# Altium PCB MB1292.PcbDoc (part 3 of 4)
Units mm, origin at the board's own origin, x right, y up, seen from the top; angles counter-clockwise.
Board outline 103.83 x 65.19 mm, 4 copper layers (L1, L2, L3, L4), stack 1.512 mm thick; 185 components, 157 nets, 707 pads, 942 vias.
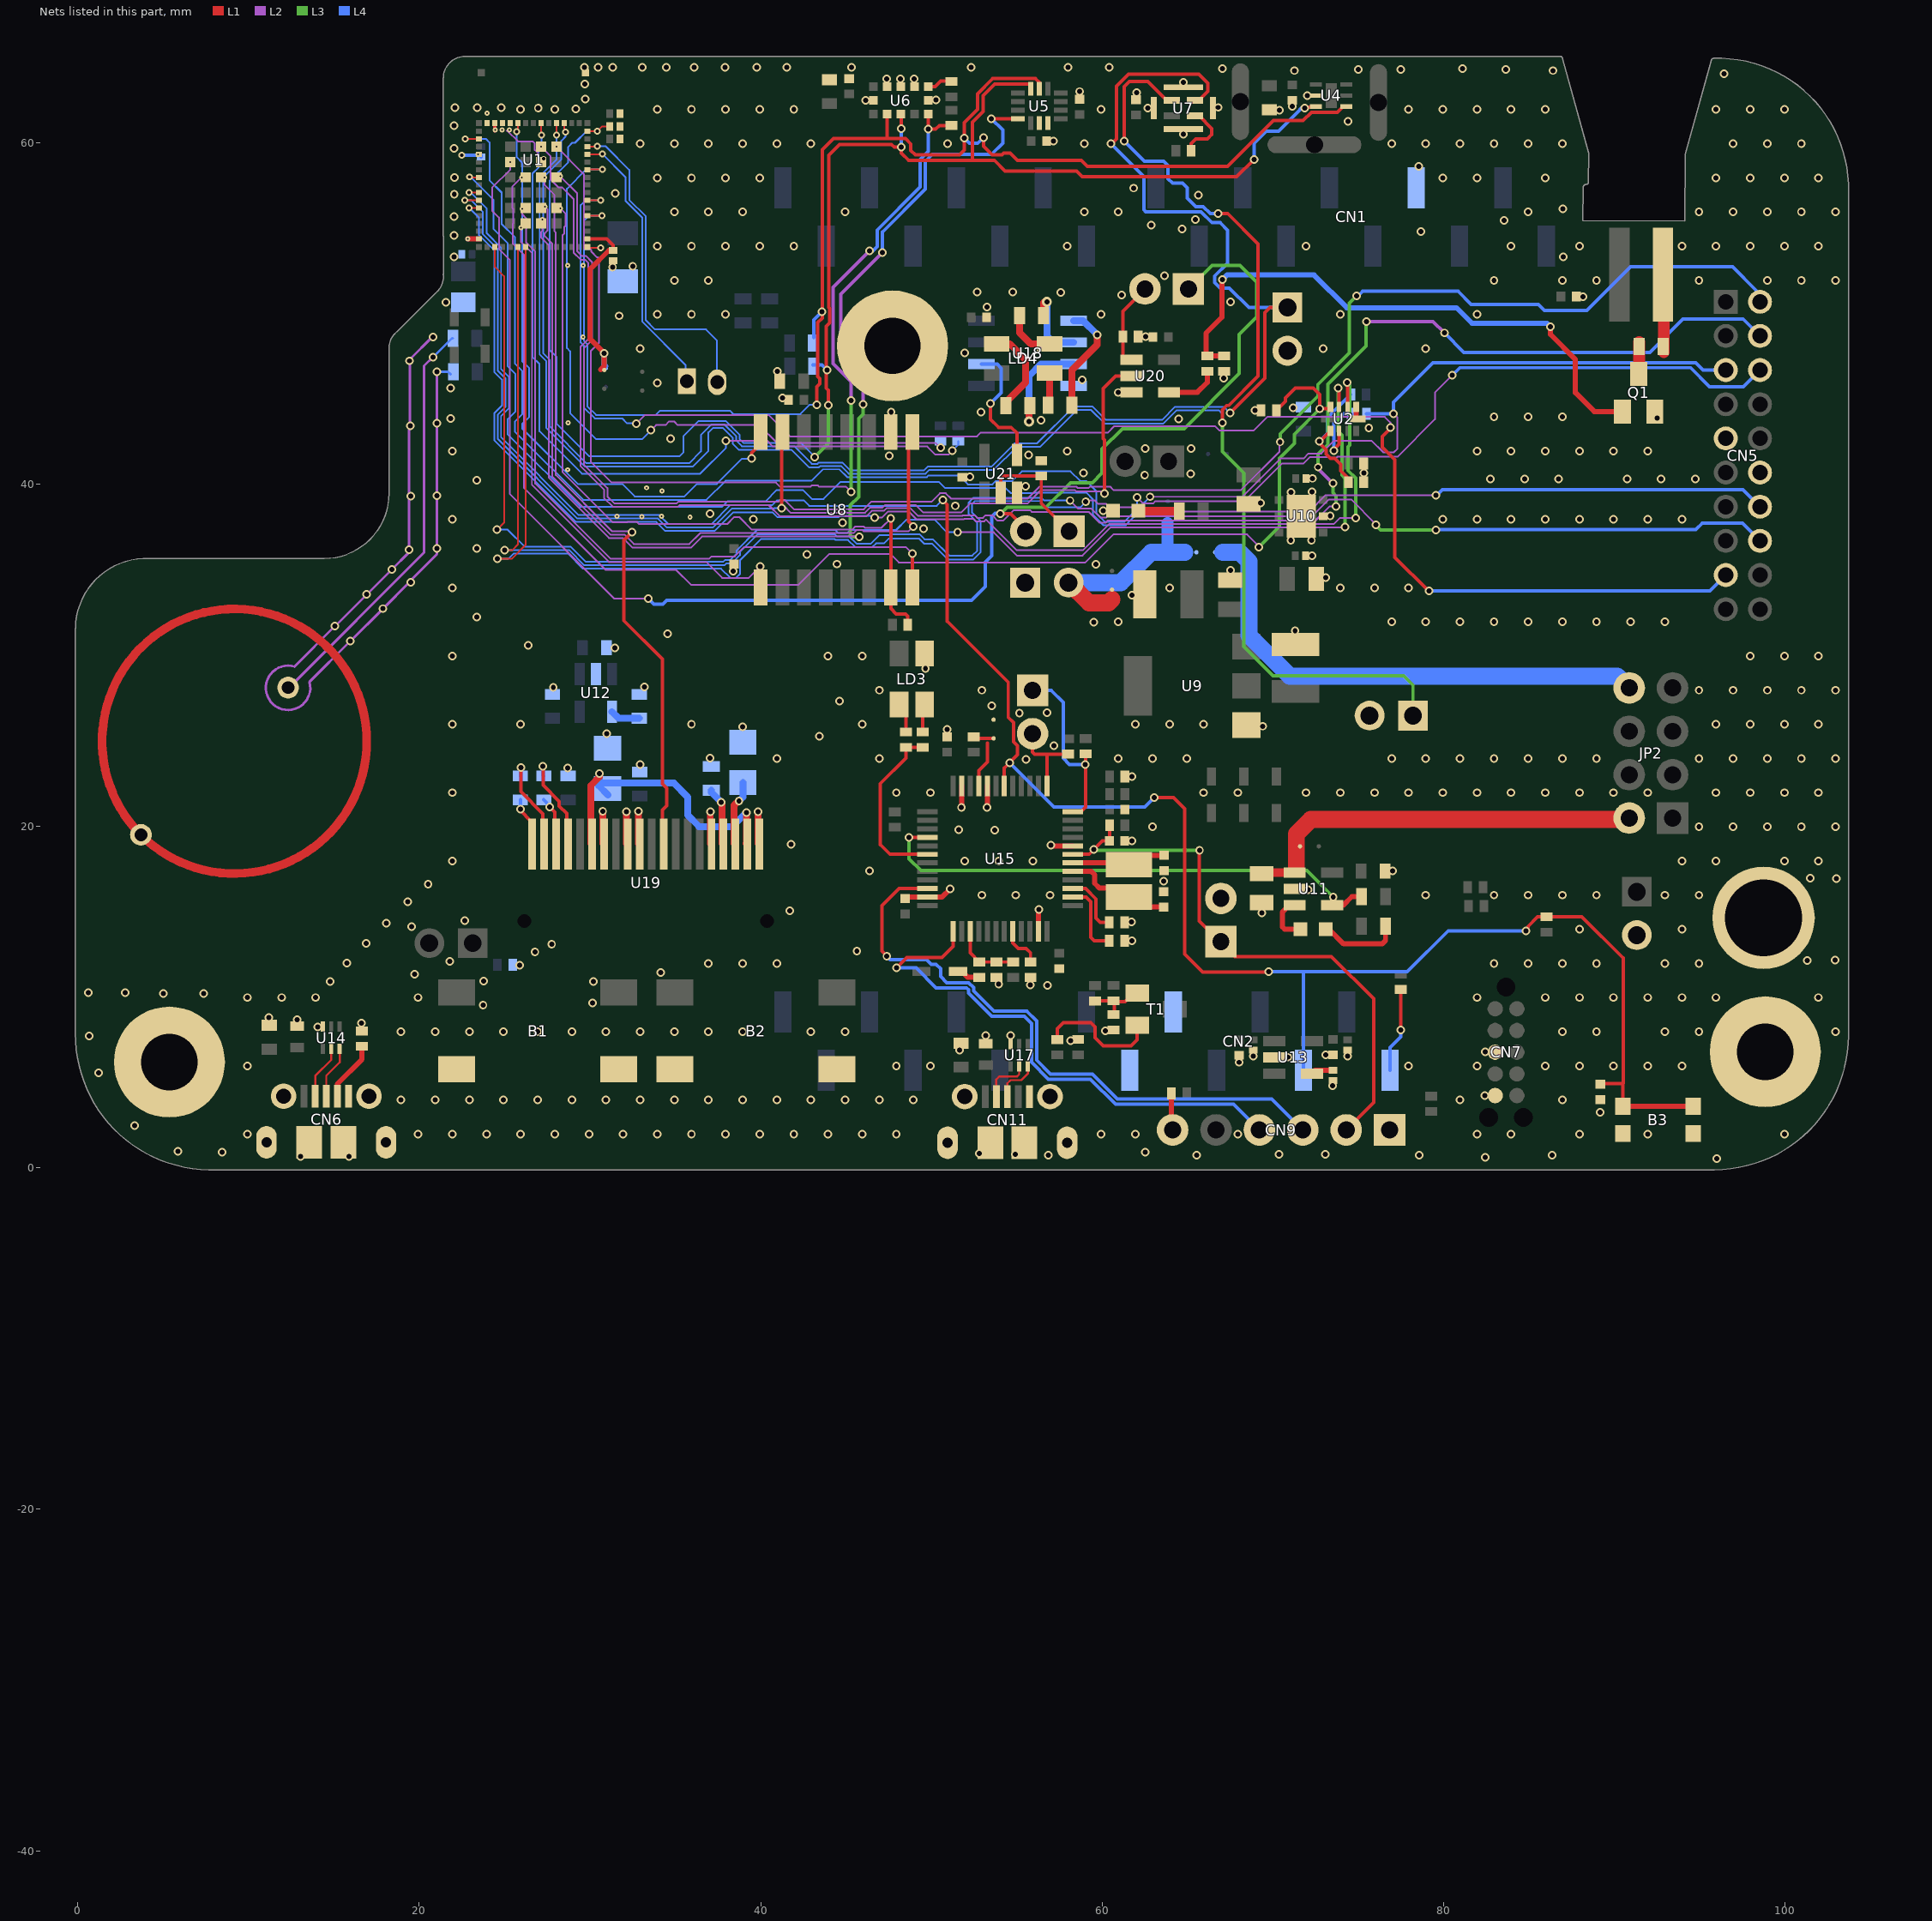
[diagram p5: the nets of this part, all layers, seen from the top]

## Via types
v1: diameter 0.5, hole 0.3, L1 to L4, tented both sides, 847 vias
v2: diameter 0.3, hole 0.1, L1 to L2, tented both sides, 48 vias
v3: diameter 0.4, hole 0.2, L1 to L4, tented both sides, 38 vias
v4: diameter 0.5, hole 0.3, L1 to L4, 4 vias
v5: diameter 0.6, hole 0.3, L1 to L4, tented both sides, 3 vias
v6: diameter 0.3, hole 0.2, L1 to L4, tented both sides, 1 vias
v7: diameter 0.5/0.5/0.5/0.5 (per signal layer), hole 0.3, L1 to L4, tented both sides, 1 vias

## Nets (pads, with @x,y where several pads share a name; then routed paths per layer and width w, separated by ;. In a path a pad name is that pad's centre, name@x,y a point inside that pad or via, vN(x,y) a via of type N, cw(c..) or ccw(c..) an arc to the next point about the centre after c; other vN are vias at no path point) (continued)
GND: B1.3 B1.4 B2.3 B2.4 B3.2 B3.4 C1.1 C2.2 C3.1 C4.1 C5.1 C6.1 C7.1 C8.1 C9.1 C10.1 C11.1 C12.1 C13.2 C14.2 C15.1 C16.1 C17.1 C18.1 C19.1 C20.1 C21.1 C22.2 C23.1 C24.1 C25.1 C26.1 C27.1 C28.1 C29.1 C30.1 C31.1 C32.2 C33.2 C34.2 C35.1 C36.1 C37.1 C38.1 C39.1 C40.1 C41.2 C42.1 C43.1 C44.2 C45.2 C48.2 C49.2 C50.2 C51.2 C52.1 C53.1 C54.2 C55.1 C56.1 CN1.7 CN2.6 CN2.7 CN5.5 CN5.16 CN6.5 CN6.6 CN6.7 CN6.8 CN6.9 CN6.10 CN6.11 CN7.3 CN7.5 CN8.1 CN9.1 CN11.5 CN11.6 CN11.7 CN11.8 CN11.9 CN11.10 CN11.11 CN12.2 CN14.2 CN15.2 JP3.2 LD2.2 LD3.1 pad.1@5.381,6.178 pad.1@98.725,14.624 pad.2 pad.4 Q1.2 R6.2 R7.1 R13.1 R17.1 R19.1 R21.2 R22.1 R27.1 R32.1 R36.1 R43.1 R48.2 R51.1 R52.1 R53.1 R54.1 SB12.2 U1.5 U1.16 U1.31 U1.57 U1.58 U1.59 U1.60 U1.84 U1.86 U2.5 U2.6 U3.2 U4.5 U5.6 U5.7 U6.2 U6.3 U6.4 U6.6 U6.12 U7.5 U7.6 U7.7 U7.8 U8.10 U9.1 U10.2 U10.EP U11.2 U12.2 U13.2 U14.3 U15.8 U15.20 U15.23 U15.35 U15.47 U16.2 U17.3 U18.4 U19.7 U19.9 U19.10 U19.16 U19.20 U20.3 U21.3 | length 26.3
  L1 w0.1: U1.31@29.865,53.908 29.91,53.863 v3(30.633,53.863)
  L1 w0.2: v2@24.44,60.716 U1.59@24.44,61.158 ; v1(72.017,62.758) 72.021,62.762 72.518,62.762 U4.5@72.523,62.767 ; v1(82.414,4.228) 82.419,4.222 83.009,4.222 CN7.5@83.014,4.217 ; v1(82.434,6.772) 82.441,6.765 83.006,6.765 CN7.3@83.014,6.757
  L1 w0.3: v2(22.848,54.375) 23.507,54.375 U1.16@23.515,54.383 ; C39.1@48.485,15.721 48.604,15.841 U15.35@49.772,15.841 49.782,15.83 50.616,15.83 v1(51.098,16.312) ; v1(51.761,21.088) 51.772,21.098 U15.23@51.772,22.341 ; v1(53.26,21.088) 53.272,21.1 U15.20@53.272,22.341 ; U15.47@56.272,13.841 56.272,15.108 v1(56.282,15.119) ; v1(56.994,18.878) 57.031,18.841 U15.8@58.272,18.841 ; U2.6@74.875,44.54 74.875,43.94 U2.5@74.975,43.84
  L1 w0.4: U19.7@30.749,18.98 v1(30.749,20.866) v1@30.749,20.878 ; U19.9@32.149,18.98 32.149,20.83 v1(32.152,20.834) ; v1(32.838,20.864) 32.849,20.874 U19.10@32.849,18.98 ; U19.16@37.049,18.98 37.049,20.828 v1(37.055,20.834) ; U19.20@39.849,18.98 v1(39.849,20.834)
  L2 w0.1: 25.125,60.699 25.183,60.699 25.792,60.09 26.642,60.09 26.775,59.957 26.775,59.586 26.948,59.413 26.948,58.852 v2(27.067,58.733)
  L4 w0.2: v3(22.505,59.278) 22.468,59.278 23.627,59.278 C25.1@23.627,59.187
  other v1: 95.997,0.536 82.425,0.596 13.056,0.656 15.891,0.656 56.849,0.717 65.535,0.717 78.564,0.717 86.346,0.717 54.919,0.777 70.361,0.777 73.075,0.777 52.807,0.837 8.472,0.898 62.519,0.898 5.878,0.958 9.945,1.955 19.945,1.955 21.945,1.955 23.945,1.955 25.945,1.955 27.945,1.955 29.945,1.955 31.945,1.955 33.945,1.955 35.945,1.955 37.945,1.955 39.945,1.955 41.945,1.955 43.945,1.955 45.945,1.955 47.945,1.955 59.945,1.955 61.945,1.955 67.945,1.955 81.945,1.955 83.945,1.955 87.945,1.955 91.945,1.955 99.945,1.955 3.344,2.466 89.15,3.232 18.945,3.955 20.945,3.955 22.945,3.955 24.945,3.955 26.945,3.955 28.945,3.955 30.945,3.955 32.945,3.955 34.945,3.955 36.945,3.955 38.945,3.955 40.945,3.955 42.945,3.955 44.945,3.955 46.945,3.955 48.945,3.955 80.945,3.955 86.945,3.955 73.497,4.792 1.233,5.542 9.945,5.955 47.945,5.955 49.945,5.955 77.945,5.955 81.945,5.955 85.945,5.955 87.945,5.955 89.945,5.955 91.945,5.955 93.945,5.955 68.01,6.164 70.882,6.464 68.849,6.519 74.36,6.519 73.09,6.595 51.653,6.884 58.161,7.439 0.69,7.714 53.184,7.727 54.631,7.727 18.945,7.955 20.945,7.955 22.945,7.955 24.945,7.955 26.945,7.955 28.945,7.955 30.945,7.955 32.945,7.955 34.945,7.955 36.945,7.955 38.945,7.955 42.945,7.955 44.945,7.955 86.945,7.955 88.945,7.955 92.945,7.955 94.945,7.955 102.945,7.955 60.191,8.008 14.068,8.235 16.633,8.464 12.848,8.667 11.197,8.794 23.744,9.506 30.15,9.633 9.945,9.955 11.945,9.955 13.945,9.955 19.945,9.955 81.945,9.955 85.945,9.955 87.945,9.955 89.945,9.955 91.945,9.955 93.945,9.955 95.945,9.955 101.945,9.955 5.033,10.187 7.38,10.183 0.63,10.247 2.801,10.247 56.79,10.674 55.8,10.699 53.946,10.75 14.801,10.901 30.214,10.901 23.786,10.923 19.748,11.324 34.158,11.416 25.884,11.859 36.945,11.955 38.945,11.955 40.945,11.955 82.945,11.955 84.945,11.955 86.945,11.955 88.945,11.955 92.945,11.955 94.945,11.955 15.774,11.98 21.799,12.085 26.782,12.621 45.636,12.676 27.761,13.086 16.894,13.121 61.743,13.29 87.945,13.955 93.945,13.955 19.558,14.115 18.078,14.305 61.718,14.382 22.687,14.453 69.339,14.924 41.704,15.029 19.347,15.574 52.945,15.955 54.945,15.955 56.945,15.955 78.945,15.955 82.945,15.955 84.945,15.955 86.945,15.955 88.945,15.955 92.945,15.955 94.945,15.955 72.057,16.27 20.53,16.589 63.598,16.77 46.372,17.381 77.01,17.363 21.945,17.955 51.945,17.955 53.945,17.955 55.945,17.955 93.945,17.955 95.945,17.955 99.945,17.955 101.945,17.955 41.784,18.92 61.743,19.132 53.699,19.758 51.61,19.781 62.945,19.955 94.945,19.955 96.945,19.955 98.945,19.955 100.945,19.955 102.945,19.955 21.945,21.955 47.945,21.955 49.945,21.955 65.945,21.955 67.945,21.955 71.945,21.955 73.945,21.955 75.945,21.955 77.945,21.955 79.945,21.955 81.945,21.955 83.945,21.955 85.945,21.955 87.945,21.955 89.945,21.955 91.945,21.955 95.945,21.955 97.945,21.955 99.945,21.955 101.945,21.955 61.743,22.891 28.698,23.399 32.94,23.602 55.537,23.901 40.945,23.955 46.945,23.955 60.945,23.955 62.945,23.955 64.945,23.955 76.945,23.955 78.945,23.955 80.945,23.955 82.945,23.955 84.945,23.955 86.945,23.955 88.945,23.955 94.945,23.955 96.945,23.955 98.945,23.955 100.945,23.955 102.945,23.955 37.029,23.983 57.168,24.711 43.434,25.249 30.984,25.406 50.923,25.66 38.934,25.812 69.39,25.846 21.945,25.955 25.945,25.955 35.945,25.955 45.945,25.955 61.945,25.955 63.945,25.955 65.945,25.955 95.945,25.955 97.945,25.955 99.945,25.955 101.945,25.955 55.152,26.607 56.77,26.634 53.539,27.031 44.615,27.321 46.945,27.955 52.945,27.955 94.945,27.955 96.945,27.955 98.945,27.955 100.945,27.955 102.945,27.955 27.86,28.124 33.186,28.139 49.653,29.216 21.945,29.955 43.945,29.955 45.945,29.955 97.945,29.955 99.945,29.955 101.945,29.955 31.467,30.435 26.397,30.583 34.542,31.265 71.295,31.434 59.516,31.929 60.945,31.955 76.945,31.955 78.945,31.955 80.945,31.955 82.945,31.955 84.945,31.955 86.945,31.955 88.945,31.955 90.945,31.955 92.945,31.955 23.374,32.245 61.745,33.517 21.945,33.955 63.945,33.955 73.945,33.955 75.945,33.955 77.945,33.955 73.08,34.54 38.393,34.928 67.51,34.965 44.459,35.337 59.629,35.321 72.293,35.824 42.72,35.901 23.374,36.245 72.25,36.73 71.044,36.739 49.545,37.414 44.805,37.751 21.945,37.955 39.577,37.952 79.945,37.955 81.945,37.955 83.945,37.955 85.945,37.955 87.945,37.955 89.945,37.955 91.945,37.955 93.945,37.955 73.354,38.151 37.044,38.284 60.058,38.463 51.4,38.751 69.282,38.914 71.053,39.554 72.293,39.579 55.507,39.895 23.374,40.245 82.731,40.329 84.731,40.329 86.731,40.329 90.731,40.329 92.731,40.329 94.731,40.329 72.319,40.358 52.26,40.443 62.484,40.556 65.188,40.624 58.896,40.663 75.328,40.684 47.522,41.676 55.686,41.716 21.945,41.955 57.945,41.955 81.945,41.955 83.945,41.955 85.945,41.955 87.945,41.955 89.945,41.955 91.945,41.955 62.514,42.11 65.196,42.101 34.719,42.677 75.613,43.307 56.41,43.752 64.48,43.846 21.844,43.864 92.501,43.889 82.945,43.955 84.945,43.955 86.945,43.955 47.644,44.237 52.895,44.234 68.953,44.335 71.183,44.485 41.286,45.069 60.941,45.381 21.85,45.637 33.945,45.955 58.819,46.127 67.122,46.231 40.978,46.615 51.949,47.707 32.945,47.955 72.945,47.955 78.945,47.955 62.549,48.661 31.717,49.874 33.945,49.955 35.945,49.955 37.945,49.955 59.945,49.955 73.945,49.955 81.945,49.955 53.259,50.396 21.571,50.671 67.506,50.691 88.164,50.993 61.146,51.098 57.564,51.247 52.67,51.269 54.774,51.269 34.945,51.955 36.945,51.955 82.945,51.955 86.945,51.955 88.945,51.955 94.945,51.955 98.945,51.955 100.945,51.955 102.945,51.955 63.649,52.224 31.326,52.729 32.506,52.773 22.055,53.328 87.004,53.336 33.945,53.955 35.945,53.955 37.945,53.955 39.945,53.955 41.945,53.955 57.945,53.955 71.945,53.955 83.945,53.955 87.945,53.955 93.945,53.955 95.945,53.955 97.945,53.955 99.945,53.955 101.945,53.955 22.038,54.591 78.658,54.798 64.691,54.969 62.883,55.187 83.535,55.468 65.469,55.516 22.04,55.688 34.945,55.955 36.945,55.955 38.945,55.955 44.945,55.955 58.945,55.955 60.945,55.955 84.945,55.955 94.945,55.955 96.945,55.955 98.945,55.955 100.945,55.955 102.945,55.955 86.964,56.131 65.644,56.951 22.061,56.987 31.487,57.034 61.842,57.355 22.083,57.961 33.945,57.955 35.945,57.955 37.945,57.955 39.945,57.955 79.945,57.955 81.945,57.955 85.945,57.955 95.945,57.955 97.945,57.955 99.945,57.955 101.945,57.955 78.535,58.619 22.055,59.675 32.945,59.955 34.945,59.955 36.945,59.955 38.945,59.955 40.945,59.955 42.945,59.955 50.945,59.955 58.945,59.955 76.945,59.955 78.945,59.955 80.945,59.955 82.945,59.955 84.945,59.955 86.945,59.955 96.945,59.955 98.945,59.955 100.945,59.955 57.152,60.108 64.746,60.501 22.037,61.01 74.397,61.269 70.376,61.911 25.945,61.955 27.945,61.955 33.945,61.955 35.945,61.955 37.945,61.955 39.945,61.955 41.945,61.955 59.945,61.955 77.945,61.955 79.945,61.955 81.945,61.955 83.945,61.955 85.945,61.955 95.945,61.955 97.945,61.955 99.945,61.955 29.189,61.995 24.805,62.059 26.981,62.046 62.679,62.04 22.104,62.063 23.397,62.065 66.8,62.076 71.128,62.136 46.144,62.494 50.261,62.507 29.726,62.564 62.013,62.934 58.676,63.006 29.714,63.454 64.758,63.541 48.183,63.735 48.993,63.735 47.392,63.748 96.419,64.053 71.266,64.234 86.406,64.234 75.005,64.295 77.479,64.295 83.631,64.295 67.043,64.355 81.098,64.355 29.682,64.415 30.489,64.415 31.347,64.415 33.065,64.415 34.47,64.415 36.101,64.415 37.908,64.415 39.781,64.415 41.527,64.415 45.328,64.415 52.325,64.415 57.995,64.415 60.408,64.415
  other v2: 35.869,38.086 31.597,38.132 33.04,38.114 34.188,38.132 34.231,39.625 33.322,39.806 28.712,40.861 28.729,43.61 29.593,48.623 28.71,52.815 29.604,52.821 23.46,59.339 24.46,60.757 24.864,60.749 25.284,60.753 23.979,61.743
  other v4: 101.284,12.125 102.911,12.145 101.461,16.947 102.99,16.928
  other v6: 27.304,59.068
GPIO_SELECT1: R6.1 U1.78 U2.9 | length 80.6
  L1 w0.2: R6.1@70.203,44.333 70.734,44.863 70.734,45.076 71.309,45.651 72.356,45.651 72.744,45.263 v1(72.744,44.427) 73.262,44.427 U2.9@73.375,44.54
  L2 w0.1: v2(26.024,57.966) 25.984,57.966 25.472,57.454 25.472,56.174 25.504,56.142 25.504,55.281 25.476,55.252 25.476,54.117 26.147,53.446 26.147,39.782 30.931,34.998 35.047,34.998 35.922,34.123 42.214,34.123 44.028,35.937 44.708,35.937 44.712,35.933 47.593,35.933 48.091,35.435 59.01,35.435 60.654,37.079 68.487,37.079 69.166,36.4 v1(69.166,36.326)
  L3 w0.2: v1(69.166,36.326) 70.382,37.542 70.382,41.536 71.259,42.413 71.259,42.942 v1(72.744,44.427)
GPIO_SELECT2: JP4.1 JP5.2 U1.62 | length 87.1
  L1 w0.2: v1(54.038,38.279) 54.636,38.278 55.523,37.391 JP5.2@55.523,37.264 ; v1(54.038,38.279) v1@54.052,38.293
  L2 w0.1: v2(25.34,58.883) 25.34,58.446 24.272,57.378 24.272,56.028 24.676,55.624 24.676,53.786 25.314,53.148 25.314,39.437 31.438,33.313 v1(33.414,33.313)
  L3 w0.2: v1(54.038,38.279) 54.43,38.671 56.709,38.671 58.144,40.106 59.424,40.106 59.996,40.678 59.996,42.075 61.191,43.27 64.797,43.27 68.023,46.496 68.023,48.783 69.053,49.813 69.053,51.849 68.074,52.828 66.428,52.828 JP4.1@65.047,51.447
  L4 w0.2: v1(33.414,33.313) 33.74,32.987 34.275,32.987 34.504,33.216 52.353,33.216 53.146,34.009 53.146,35.461 53.521,35.835 53.521,38.103 53.724,38.306 54.038,38.306 v1(54.038,38.279)
I2C3_SCL: R45.1 U1.35 U4.1 U5.13 U6.10 | length 87.9
  L1 w0.1: U1.35@29.873,55.741 v3(30.701,55.741)
  L1 w0.2: U1.35@29.865,55.733 U1.35@29.873,55.741 ; v1(43.293,44.668) 43.293,45.722 43.462,45.891 43.462,46.201 43.347,46.316 43.347,49.485 43.604,49.742 43.604,59.597 44.257,60.25 47.407,60.25 U6.10@47.407,61.688 ; 47.407,60.249 48.489,60.249 48.796,59.942 48.796,59.564 49.059,59.301 51.658,59.301 51.934,59.577 v1(51.934,60.29) 51.934,61.185 52.705,61.956 52.705,62.874 53.59,63.759 56.097,63.759 56.318,63.538 U5.13@56.318,63.159 ; v1(53.046,60.316) 53.059,60.329 53.059,59.796 53.553,59.302 54.125,59.302 54.229,59.406 54.601,59.406 55.036,58.971 58.78,58.971 59.126,58.625 67.341,58.625 70.018,61.302 71.77,61.302 72.25,61.782 73.761,61.782 74.096,62.117 U4.1@74.303,62.117
  L4 w0.1: v3(30.701,55.741) 29.956,55.741 29.659,55.444 29.659,48.4 29.85,48.209 29.85,44.588 30.369,44.068 33.864,44.068 34.114,44.318 38.198,44.318 38.394,44.122 42.328,44.122 42.874,44.668 v1(43.293,44.668)
  L4 w0.2: R45.1@43.106,48.599 43.106,49.631 v1(43.599,50.124) ; v1(51.934,60.29) 52.238,59.986 52.716,59.986 v1(53.046,60.316)
I2C3_SDA: C56.2 R46.1 U1.46 U4.6 U5.14 U6.9 | length 99
  L1 w0.1: U1.46@29.865,60.683 30.432,60.683 v3(30.439,60.69) 30.716,60.967 C56.2@31.161,60.967
  L1 w0.2: v1(43.961,44.647) 43.961,45.512 43.842,45.631 43.842,49.264 44.049,49.471 44.049,50.31 43.985,50.374 43.985,59.271 44.628,59.914 47.662,59.914 47.826,59.75 v1(48.241,59.75) 48.241,59.401 48.673,58.969 52.391,58.969 ; U6.9@48.207,61.688 48.241,61.654 v1(48.241,60.83) ; U5.14@55.822,63.452 53.707,63.452 53.022,62.767 53.022,61.849 52.391,61.218 52.391,58.969 ; v1(68.886,59.037) 67.874,58.025 58.832,58.025 58.51,58.347 54.317,58.347 53.695,58.969 52.391,58.969 ; v1(71.863,62.031) 71.914,62.082 72.488,62.082 U4.6@72.523,62.117
  L3 w0.2: v1(43.165,41.605) 43.961,42.401 v1(43.961,44.647)
  L4 w0.1: v3(30.439,60.69) 29.814,60.69 29.129,60.005 28.973,60.005 28.729,59.761 28.729,58.866 27.659,57.796 27.659,47.854 28.05,47.463 28.05,43.558 29.963,41.645 35.239,41.645 35.492,41.898 35.492,42.834 36.376,43.718 37.949,43.718 38.774,42.893 38.774,42.653 38.987,42.44 42.338,42.44 43.165,41.613 v1(43.165,41.605)
  L4 w0.2: R46.1@43.074,46.996 43.589,46.996 v1(43.887,46.698) ; v1(48.241,59.75) v1(48.241,60.83) ; v1@69.04,59.037 v1(68.886,59.037) 68.886,59.967 69.612,60.693 70.321,60.693 71.578,61.95 71.578,61.96 71.649,62.031 v1(71.863,62.031)
INT1: U1.68 U5.4 | length 69.1
  L1 w0.2: v1(53.518,61.409) U5.4@55.068,61.409
  L2 w0.1: v2(27.213,55.513) 27.213,54.849 27.151,54.787 27.151,54.45 27.605,53.996 27.605,40.386 31.123,36.868 31.934,36.868 32.505,36.297 35.909,36.297 36.561,36.949 45.767,36.949 v1(45.783,36.933)
  L2 w0.2: v1(45.998,44.692) 45.998,45.927 44.698,47.227 44.698,51.152 v1(47.125,53.579)
  L3 w0.2: v1(45.783,36.933) 45.361,36.933 45.255,37.039 45.255,38.79 45.741,39.276 45.741,43.865 45.998,44.122 v1(45.998,44.692)
  L4 w0.2: v1(47.125,53.579) v1(47.125,53.579) 47.126,54.771 49.642,57.287 49.642,58.905 50.076,59.339 53.537,59.339 54.176,59.978 54.176,60.751 v1(53.518,61.409)
INT2: R47.1 U1.74 U6.7 | length 62.5
  L1 w0.2: U6.7@49.807,61.688 v1(49.807,60.805) 50.246,60.805 50.459,61.018 R47.1@51.177,61.018
  L2 w0.1: v2(28.04,59.783) 29.654,58.169 29.654,53.822 29.689,53.787 30.006,53.787 30.083,53.71 30.083,53.635 30.405,53.313 30.48,53.313 30.533,53.26 30.533,48.293 30.493,48.253 30.493,48.25 30.045,47.802 30.045,41.333 31.264,40.114 40.893,40.114 41.127,39.88 41.751,39.88 41.756,39.875 42.933,39.875 43.006,39.948 43.338,39.948 43.411,39.875 44.973,39.875 v1(45.291,39.557)
  L2 w0.2: v1(45.306,44.927) 45.306,46.022 44.243,47.085 44.243,51.545 v1(46.385,53.687)
  L3 w0.2: v1@45.306,39.498 v1(45.306,44.927)
  L4 w0.2: v1(46.385,53.687) 46.587,53.687 46.826,53.926 46.826,54.895 49.342,57.411 49.342,59.029 49.807,59.494 v1(49.807,60.805)
LED_STLINK: R34.2 R35.2 U15.30 | length 10.3
  L1 w0.2: R34.2@49.501,24.6 R35.2@48.51,24.6 48.51,23.984 47.008,22.482 47.008,18.917 47.584,18.341 U15.30@49.772,18.341
LPUART1_RX_MCU: U1.12 U2.7 | length 80.1
  L1 w0.1: v3@22.94,56.183 U1.12@23.515,56.183
  L1 w0.2: v3(22.934,56.189) v3@22.94,56.183 ; v1(74.346,45.979) 74.375,45.95 U2.7@74.375,44.54
  L2 w0.1: v1(46.673,38.051) 47.102,38.051 47.453,38.402 48.686,38.402 49.137,37.951 51.895,37.951 51.934,37.99 52.455,37.99 52.603,37.842 53.101,37.842 53.197,37.939 54.99,36.146 58.872,36.146 60.413,37.687 73.576,37.687 73.927,38.038 v1(74.851,38.038)
  L3 w0.2: v1(74.346,45.979) 74.507,45.818 74.507,42.303 74.405,42.201 74.405,40.811 74.851,40.365 v1(74.851,38.038)
  L4 w0.1: v3(22.934,56.189) 23.512,55.611 23.512,54.593 24.397,53.708 24.397,46.591 24.85,46.138 24.85,44.615 24.397,44.162 24.397,42.598 29.187,37.808 33.892,37.808 34.421,37.279 37.309,37.279 38.388,38.358 40.704,38.358 40.969,38.093 44.581,38.093 44.639,38.151 46.573,38.151 v1(46.673,38.051)
LPUART1_TX_MCU: U1.19 U2.8 | length 79.6
  L1 w0.1: U1.19@24.44,53.908 24.44,52.727 24.974,52.193 24.974,37.76 v1(24.569,37.355)
  L1 w0.2: v1(73.816,45.638) 73.875,45.579 U2.8@73.875,44.54
  L2 w0.1: v1(51.536,37.197) 53.648,37.197 55.01,35.835 58.844,35.835 60.496,37.487 74.196,37.487 v1(74.225,37.516)
  L3 w0.2: v1(73.816,45.638) 73.816,43.108 74.036,42.888 74.036,40.541 74.225,40.352 v1(74.225,37.516)
  L4 w0.1: v1(24.569,37.355) 25.186,37.355 26.184,36.357 28.87,36.357 29.759,35.468 37.802,35.468 37.92,35.586 38.24,35.586 38.591,35.937 38.591,36.127 39.797,37.333 44.374,37.333 44.556,37.151 45.054,37.151 45.236,37.333 47.934,37.333 48.542,37.941 50.175,37.941 50.919,37.197 v1(51.536,37.197)
NetC21_2: C21.2 JP2.2 SB3.2 U11.1 | length 25.1
  L1 w0.5: C21.2@69.339,17.208 69.402,17.271 U11.1@71.27,17.271 71.27,18.556 71.32,18.607
  L1 w1: 71.371,17.642 71.371,19.536 72.22,20.385 90.779,20.385 JP2.2@90.86,20.466
NetC23_2: C23.2 U12.4 | length 1.8
  L4 w0.4: U12.4@31.299,26.693 31.686,26.306 C23.2@32.889,26.306
NetC30_2: C30.2 U13.4 | length 1.3
  L1 w0.3: U13.4@72.278,5.508 72.471,5.702 C30.2@73.522,5.702
NetC32_1: C32.1 SB10.2 SB11.2 U1.32 | length 10.9
  L1 w0.2: U1.32@29.865,54.383 29.87,54.388 30.99,54.388 31.372,54.006 C32.1@31.372,53.705